# Altium PCB DRS4-PCB.PcbDoc (part 1 of 15) (continued)
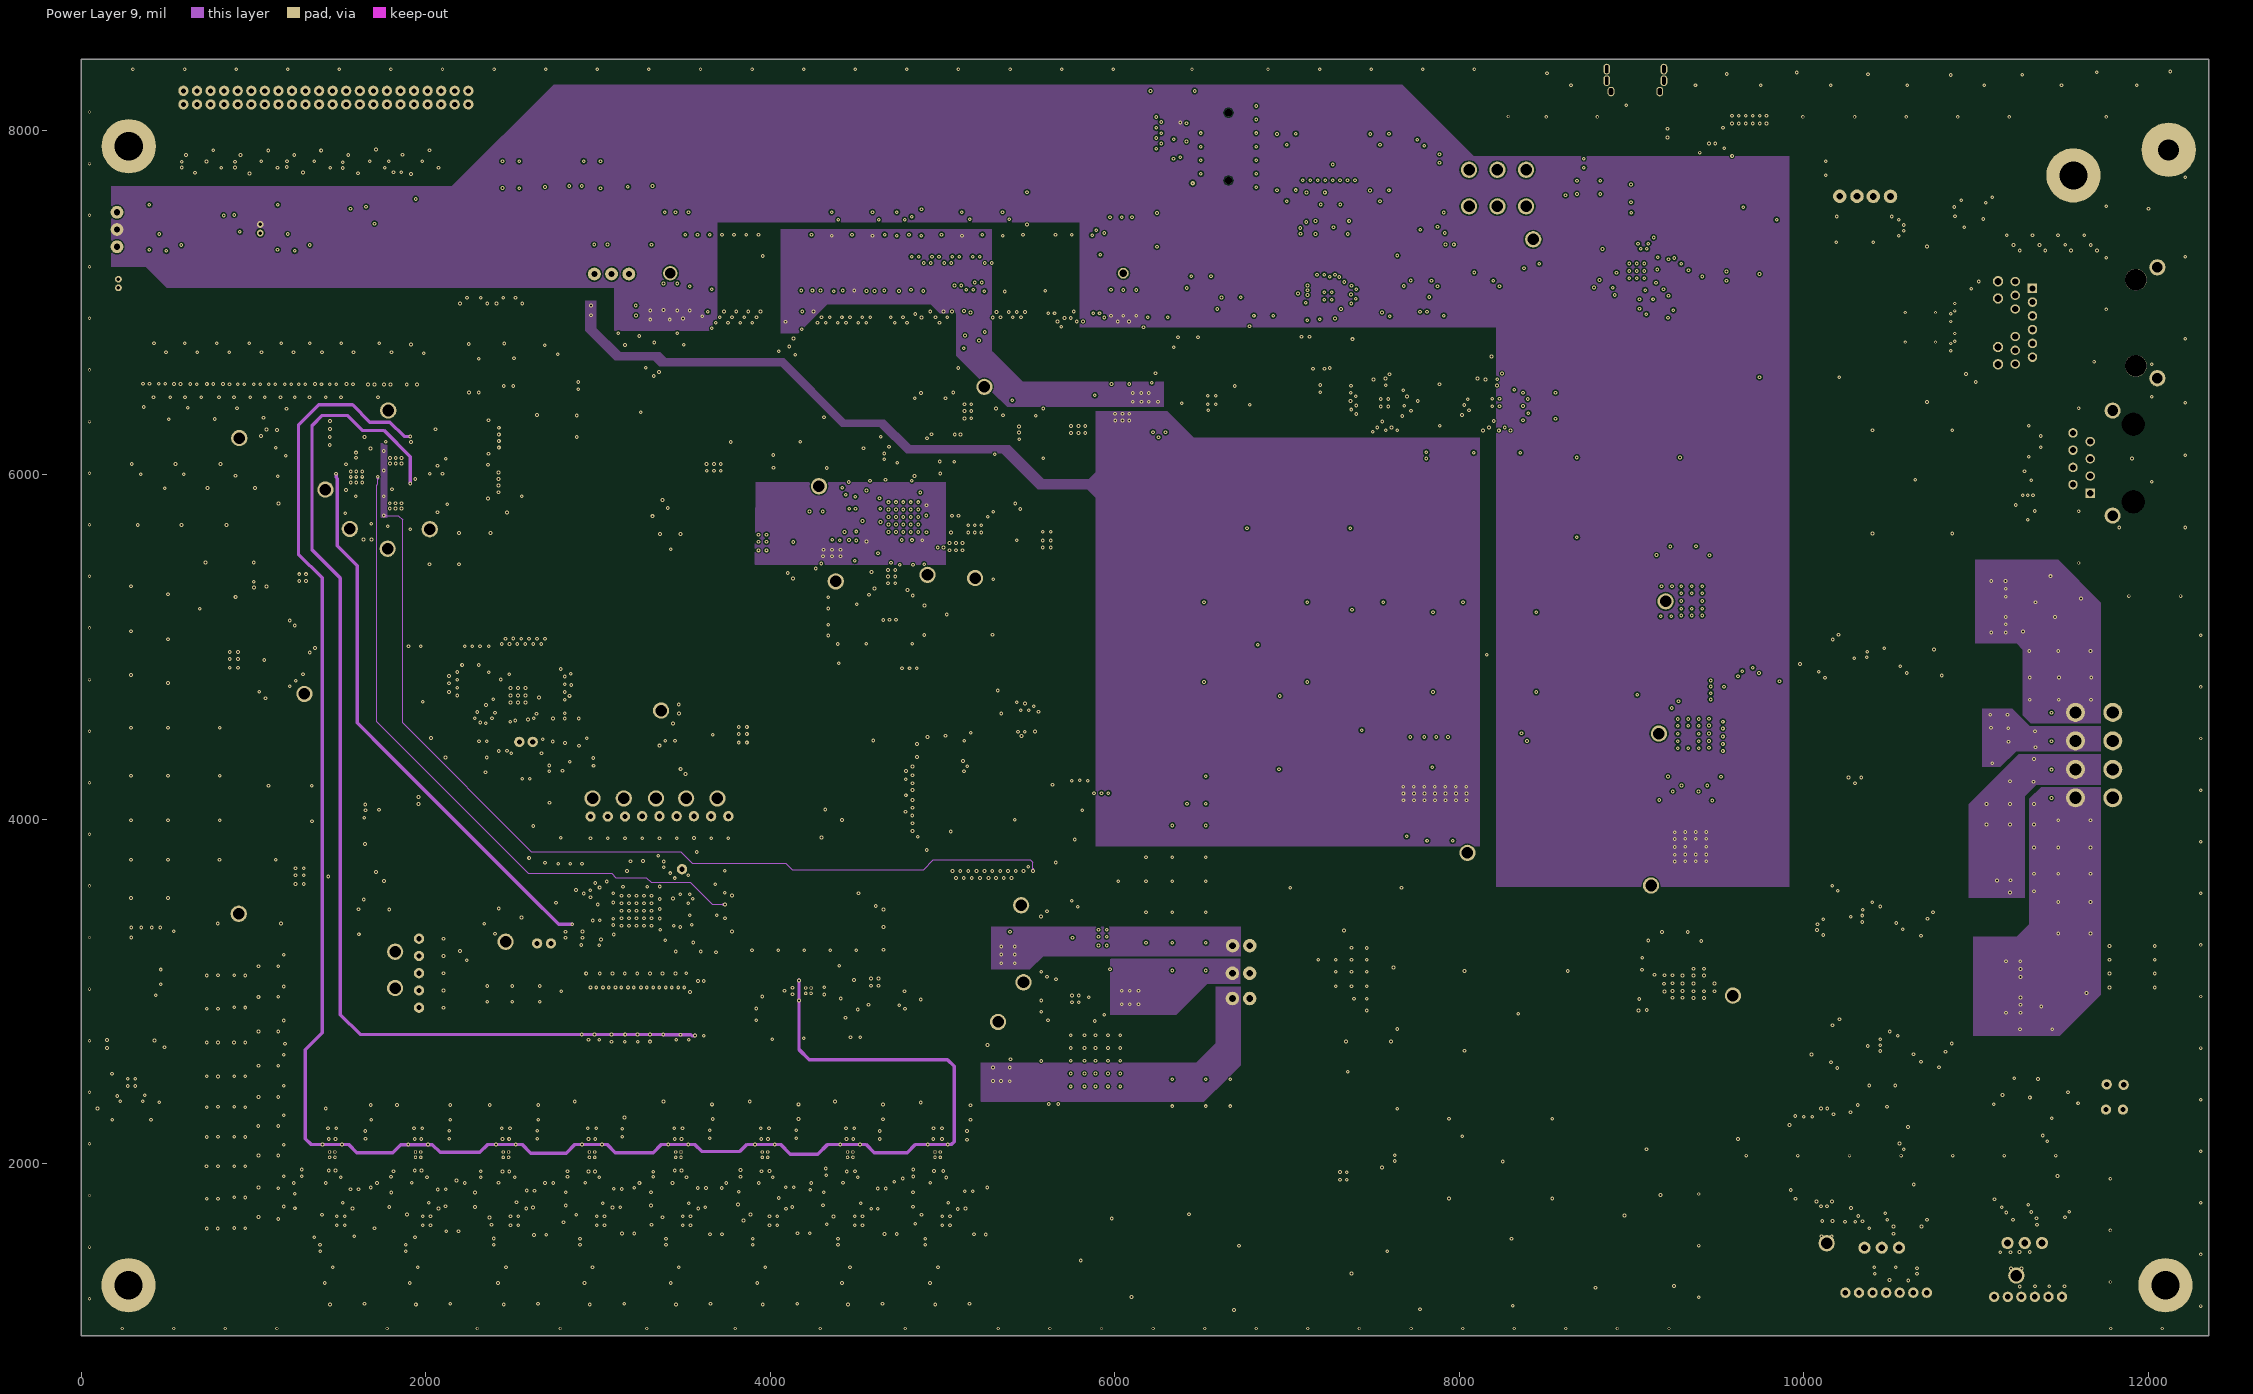
[diagram p9: Power Layer 9]
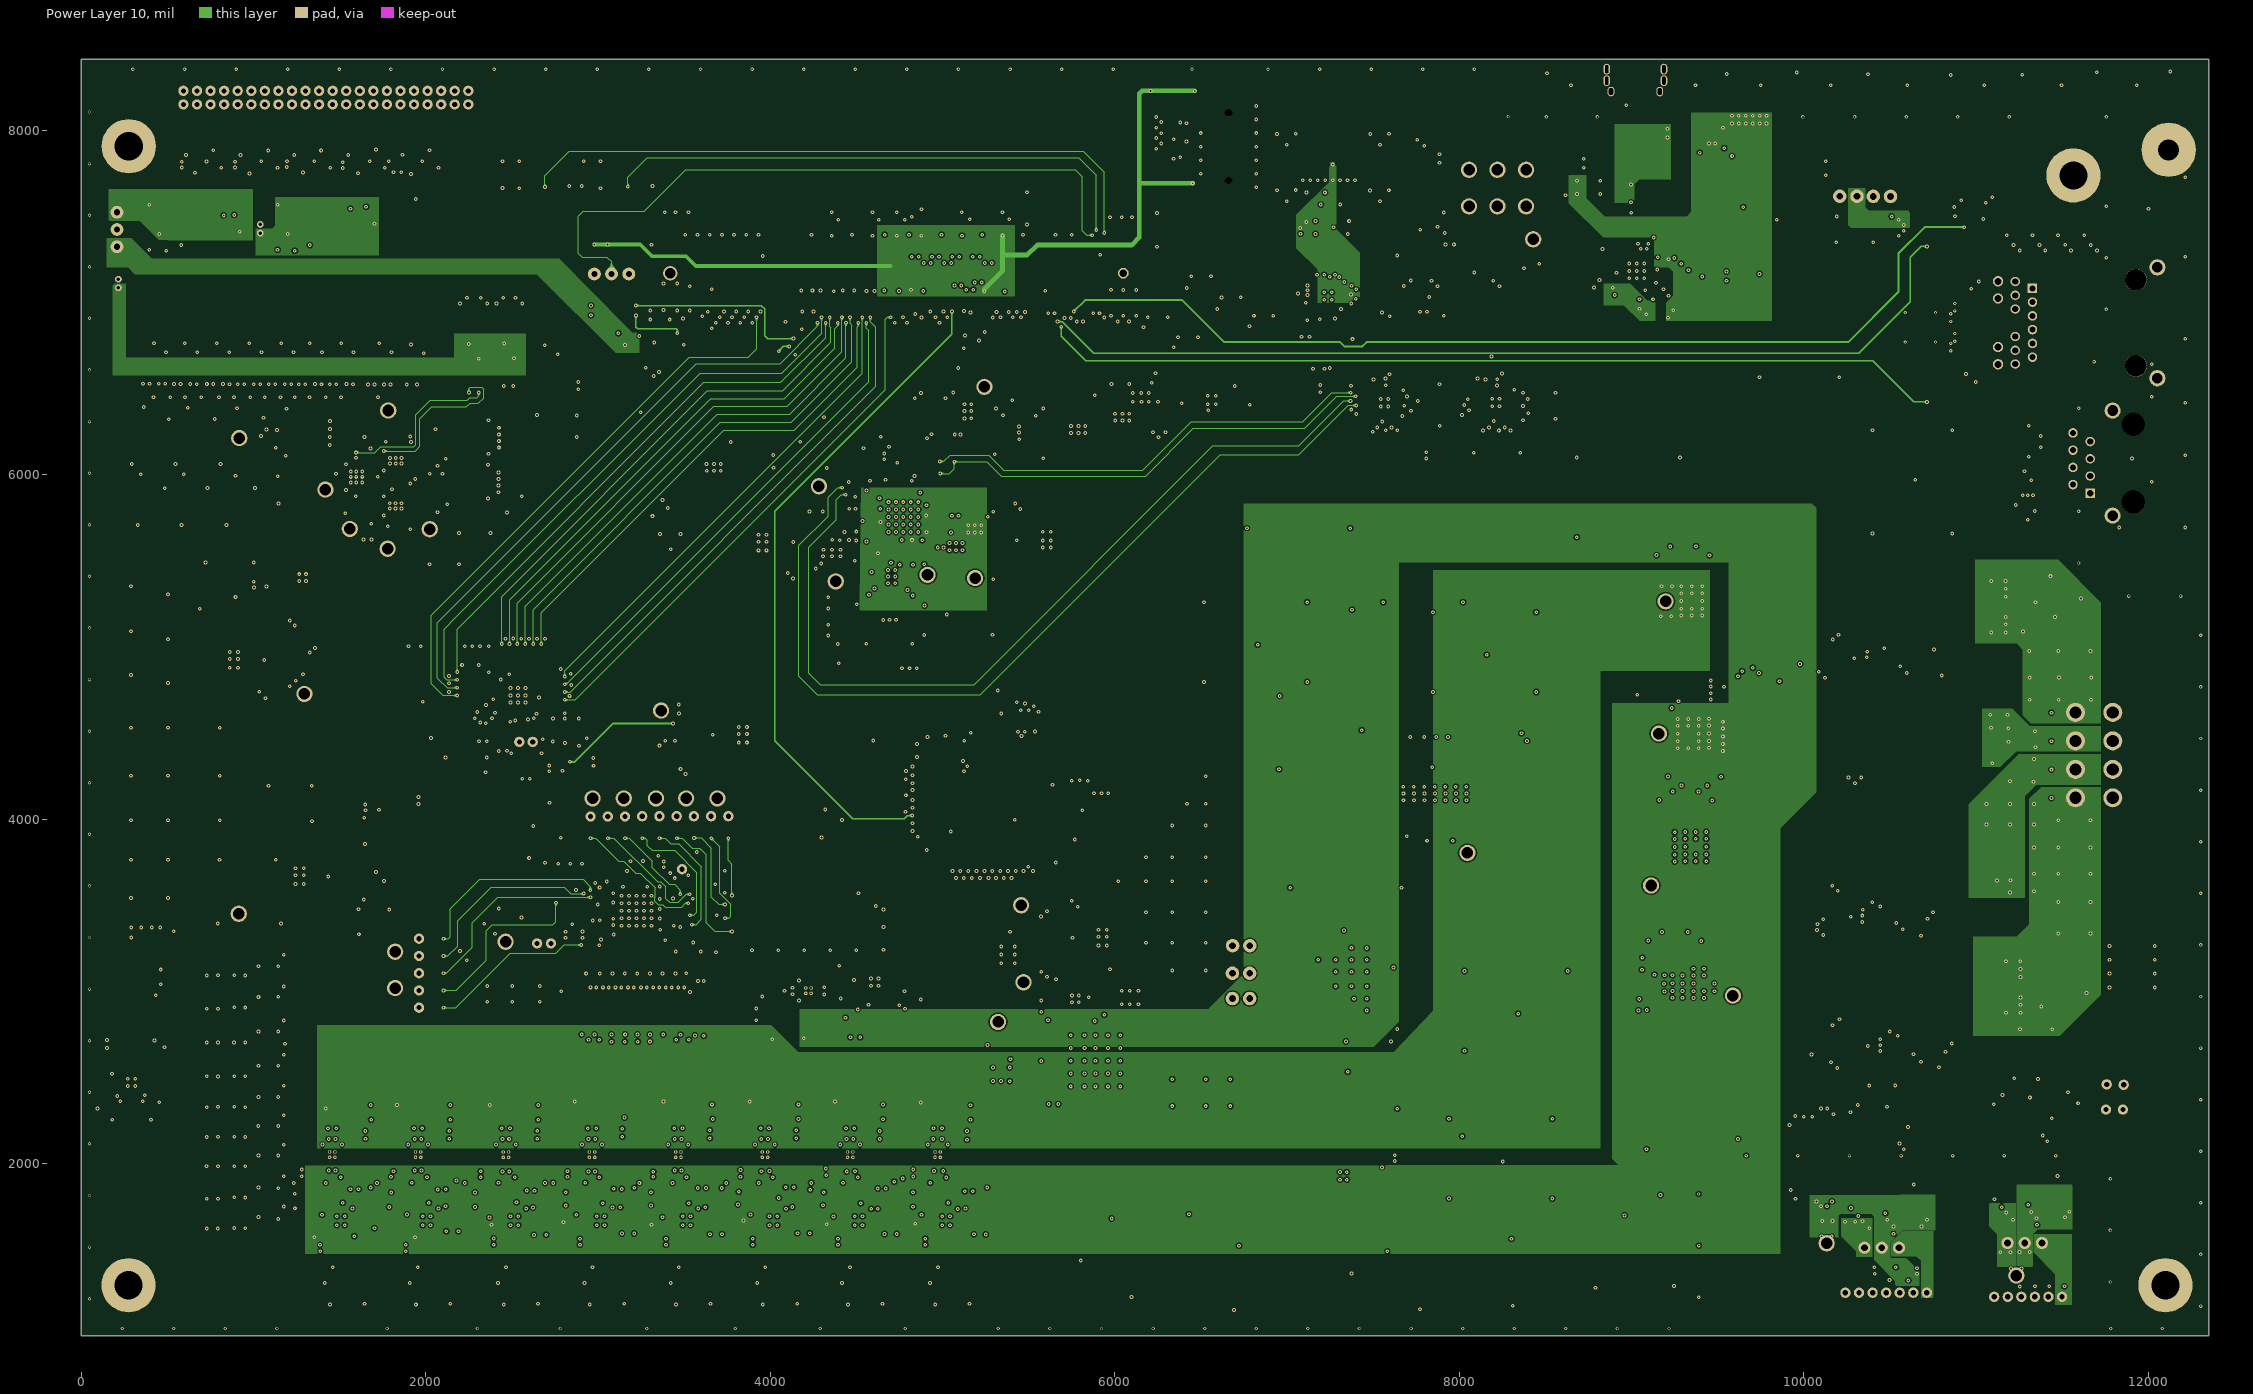
[diagram p10: Power Layer 10]
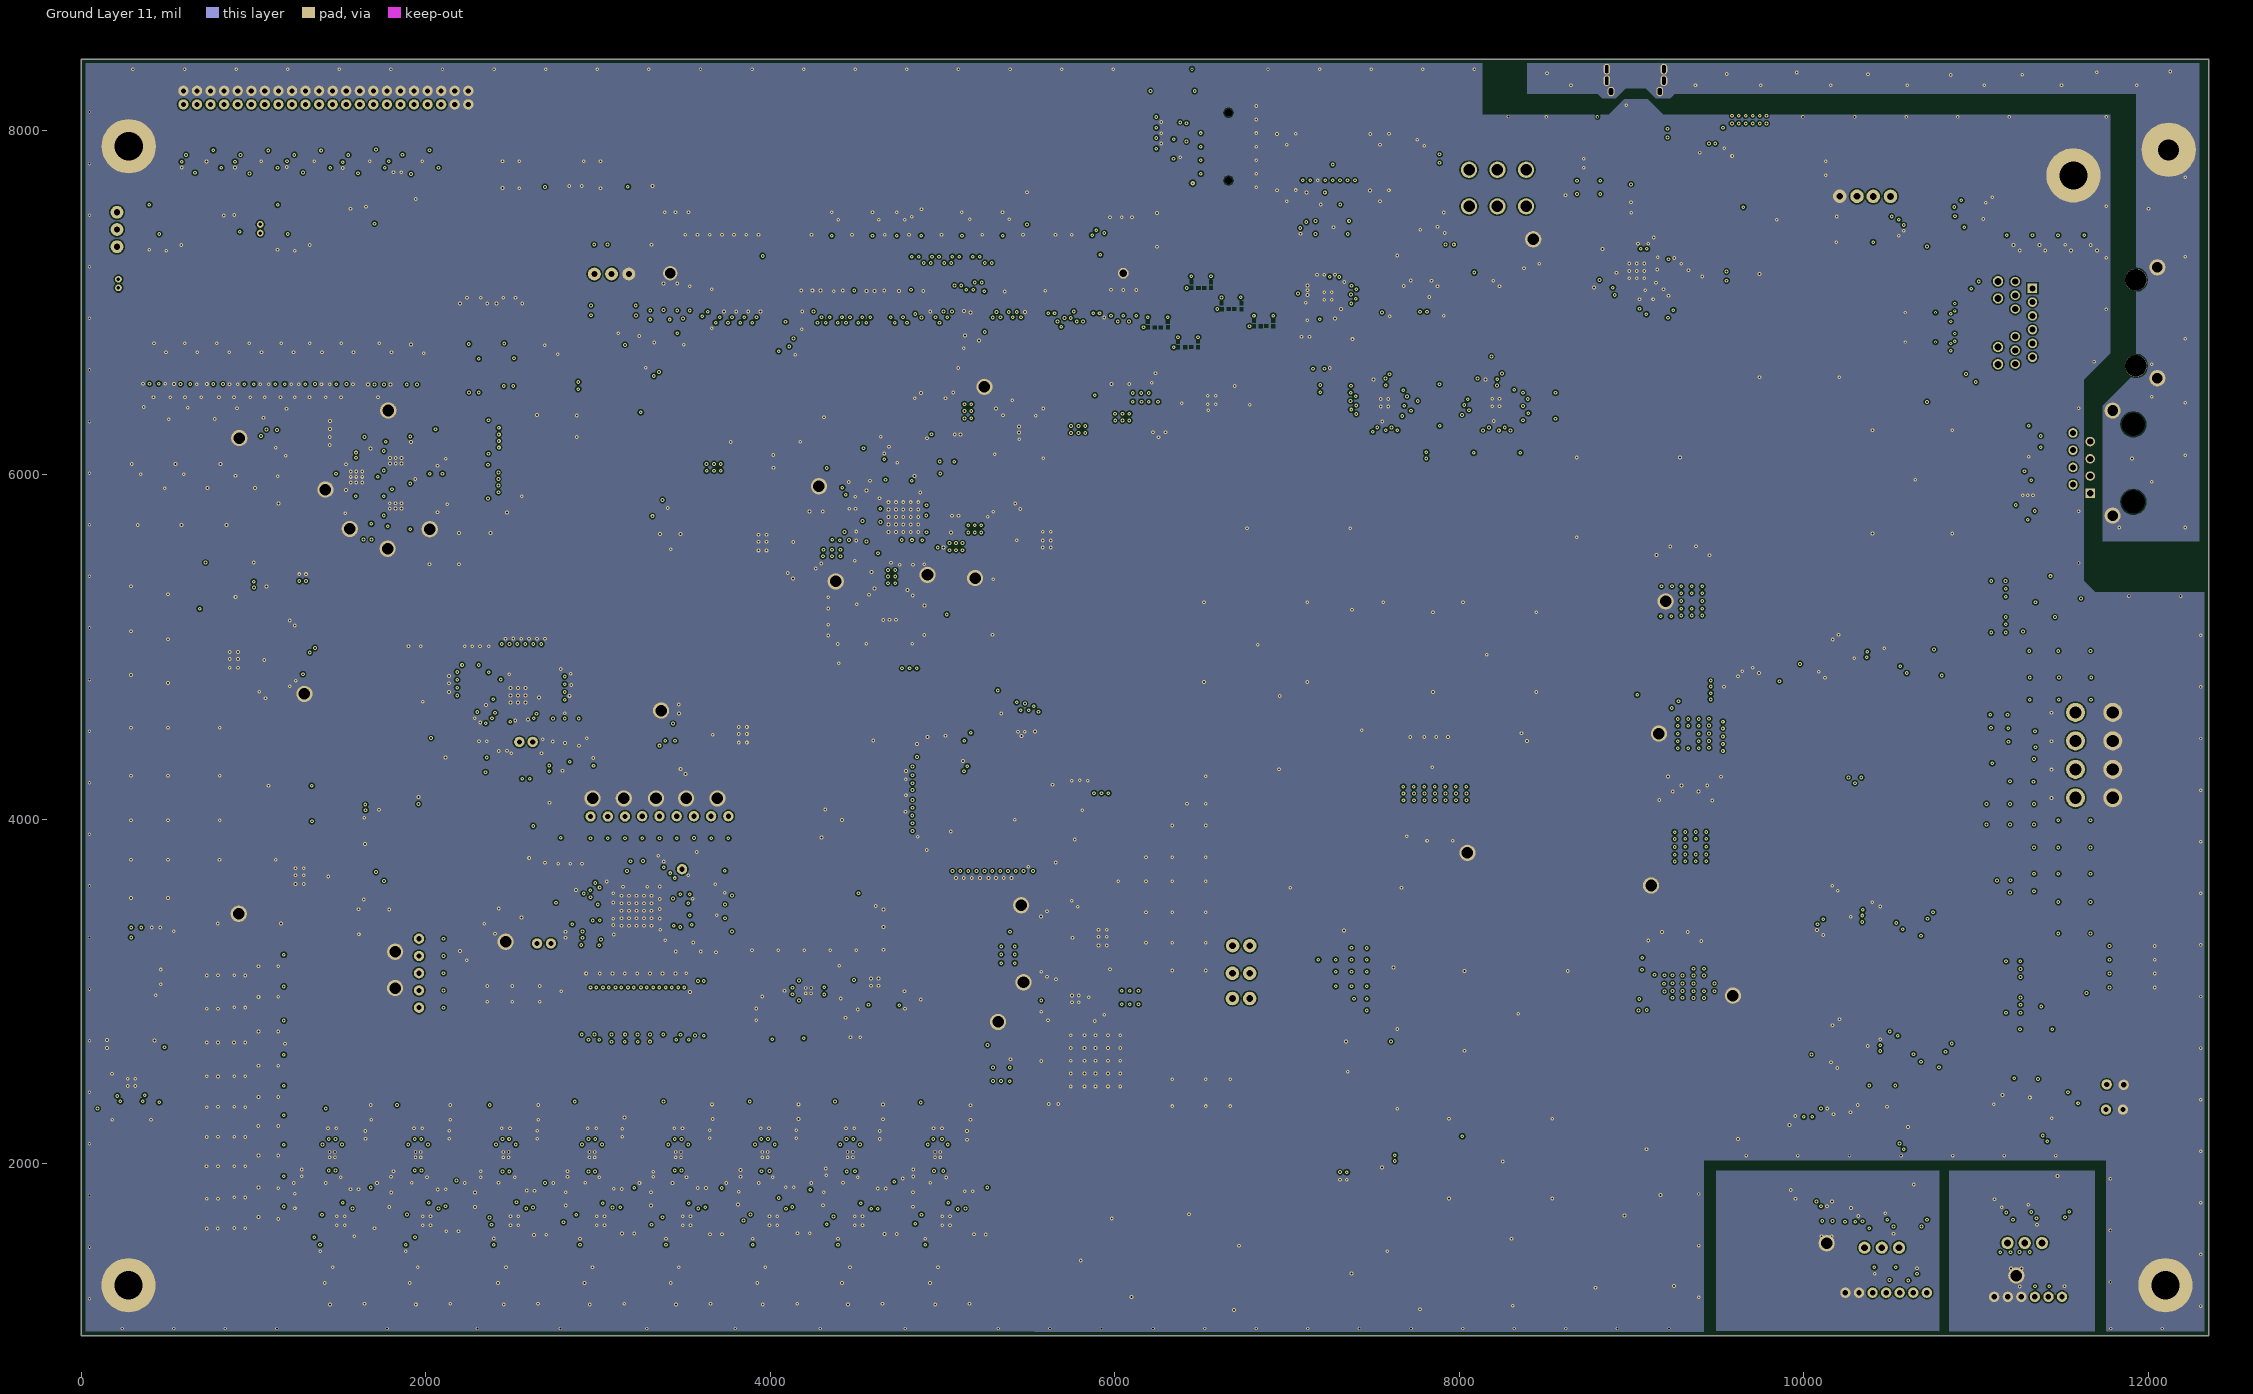
[diagram p11: Ground Layer 11]

## Layer stack, top to bottom
Top Solder: solder mask 0.8, SM-005, Dk 3.9
Top Layer: signal copper 1.6
Dielectric 1: prepreg 4.48, PP-024, Dk 3.23
Ground Layer 2: signal copper 1.2
Dielectric 2: core 4, Core-044, Dk 3.57
Signal Layer 3: signal copper 1.2
Dielectric 3: prepreg 4.36, PP-025, Dk 3.23
Signal Layer 4: signal copper 1.2
Dielectric 4: core 4, Core-044, Dk 3.57
Ground Layer 5: signal copper 1.2
Dielectric 5: prepreg 4.36, PP-025, Dk 3.23
Power Layer 6: signal copper 1.2
Dielectric 6: core 4, Core-044, Dk 3.57
Ground Layer 7: signal copper 1.2
Dielectric 7: prepreg 4.36, PP-025, Dk 3.23
Ground Layer 8: signal copper 1.2
Dielectric 8: core 4, Core-044, Dk 3.57
Power Layer 9: signal copper 1.2
Dielectric 9: prepreg 4.36, PP-025, Dk 3.23
Power Layer 10: signal copper 1.2
Dielectric 10: core 4, Core-044, Dk 3.57
Ground Layer 11: signal copper 1.2
Dielectric 11: prepreg 4.48, PP-024, Dk 3.23
Bottom Layer: signal copper 1.6
Bottom Solder: solder mask 0.8, SM-005, Dk 3.9

## Board outline
0,1000 12350,1000 12350,8411.06 0,8411.06

## Design rules (kind name [scope] priority, off if disabled: settings)
AcuteAngle [All] p1: minimum=4.50000000000000E+0001 checktracksonly=FALSE
BoardOutlineClearance [All] p1 off: gap=19.68 ignorepadtopadclearanceinfootprint=FALSE
Clearance [All] p1: gap=4.5 ignorepadtopadclearanceinfootprint=FALSE except(3.8: Arc-SMDPad Track-SMDPad SMDPad-SMDPad; 8: Arc-Poly Track-Poly SMDPad-Poly THPad-Poly Via-Poly)
ComponentClearance [All] p1 off: gap=0 collisioncheckmode=3 verticalgap=10 showdistances=FALSE
ComponentOrientations [All] p1 off: allowedrotations=32
DiffPairsRouting DiffPairsRouting_D100 [InDifferentialPairClass('D100')] p1: maxlimit=10 minlimit=5 mostfreqgap=10 toplayer_prefgap=5 toplayer_minwidth=4.58 toplayer_maxwidth=5.58 toplayer_prefwidth=5.08 midlayer2_prefgap=5 midlayer2_minwidth=2.92 midlayer2_maxwidth=3.57 midlayer2_prefwidth=3.24 midlayer3_mingap=6.1 midlayer3_prefgap=6.1 midlayer3_minwidth=3.29 midlayer3_maxwidth=4.03 midlayer3_prefwidth=3.66 bottomlayer_prefgap=5 bottomlayer_minwidth=6.06 bottomlayer_maxwidth=7.41 bottomlayer_prefwidth=6.73 impedanceprofiledriven=TRUE impedanceprofileid={3E0B95AD-4A6B-46CC-9FC0-AE22B2026B1E} impedanceprofilevalue=100.000000 maxuncoupledlength=500 // 100 Ohm impedance
DiffPairsRouting DiffPairsRouting_D90 [InDifferentialPairClass('D90')] p2: maxlimit=10 minlimit=5 mostfreqgap=10 toplayer_prefgap=5 toplayer_minwidth=5.08 toplayer_maxwidth=15 toplayer_prefwidth=6.75 midlayer2_prefgap=5 midlayer2_minwidth=3.24 midlayer2_maxwidth=15 midlayer2_prefwidth=3.65 midlayer3_prefgap=5 midlayer3_minwidth=3.65 midlayer3_maxwidth=15 midlayer3_prefwidth=3.65 bottomlayer_prefgap=5 bottomlayer_minwidth=6.73 bottomlayer_maxwidth=15 bottomlayer_prefwidth=6.75 impedanceprofiledriven=TRUE impedanceprofileid={553B5D03-7D14-4B2F-AD8E-2760CC6977B5} impedanceprofilevalue=90.000000 maxuncoupledlength=500
DiffPairsRouting [All] p3: maxlimit=6 minlimit=5 mostfreqgap=5 toplayer_minwidth=4 toplayer_maxwidth=5 toplayer_prefwidth=5 midlayer1_minwidth=5 midlayer1_maxwidth=15 midlayer1_prefwidth=15 midlayer2_minwidth=5 midlayer2_maxwidth=15 midlayer2_prefwidth=15 midlayer3_prefgap=6 midlayer3_minwidth=3.24 midlayer3_maxwidth=5 midlayer3_prefwidth=4 midlayer4_minwidth=5 midlayer4_maxwidth=15 midlayer4_prefwidth=15 midlayer5_minwidth=5 midlayer5_maxwidth=15 midlayer5_prefwidth=15 midlayer6_minwidth=5 midlayer6_maxwidth=15 midlayer6_prefwidth=15 midlayer7_minwidth=5 midlayer7_maxwidth=15 midlayer7_prefwidth=15 midlayer8_minwidth=4 midlayer8_maxwidth=5 midlayer8_prefwidth=4 midlayer9_minwidth=5 midlayer9_maxwidth=15 midlayer9_prefwidth=15 midlayer10_minwidth=5 midlayer10_maxwidth=15 midlayer10_prefwidth=15 bottomlayer_minwidth=5 bottomlayer_maxwidth=15 bottomlayer_prefwidth=5 maxuncoupledlength=500
Height [All] p1 off: minheight=0 maxheight=1000 prefheight=500
HoleSize HoleSize_1 [All] p1: absolutevalues=TRUE maxlimit=165 minlimit=8 maxpercent=80.000 minpercent=20.000
Length [All] p1: maxlimit=100000 minlimit=0
MatchedLengths DiffPair_MatchedLengths [InDifferentialPair ('GPIO2')] p1: tolerance=1000 checknetsindiffpair=FALSE checkdiffpairvsdiffpair=TRUE checkxsignals=TRUE checkothers=TRUE
MinimumAnnularRing [All] p1: minimumring=5
MinimumSolderMaskSliver [All] p1: minsoldermaskwidth=1.97
OvershootFalling [All] p1: maximum=100.0u
OvershootRising [All] p1: maximum=100.0u
ParallelSegment [All] p1: limit=984.25 gap=15
PlaneClearance [All] p1: clearance=5
PlaneConnect [All] p1: planeconnectstyle=Direct reliefexpansion=20 reliefentries=4 reliefconductorwidth=10 reliefairgap=10
PolygonConnect [All] p1: connectstyle=Direct reliefconductorwidth=10 reliefentries=4 polygonreliefangle="90 Angle" airgapwidth=10
RoomDefinition "I2C GPIO LED" [InComponentClass('I2C GPIO LED')] p1 off: confinementstyle=ConfineIn formatcopy=TRUE lockcomponents=FALSE outline 0,0 2000,0 2000,1000 0,1000
RoomDefinition "I2C GPIO" [InComponentClass('I2C GPIO')] p2 off: confinementstyle=ConfineIn formatcopy=TRUE lockcomponents=FALSE outline 0,0 2000,0 2000,1000 0,1000
RoomDefinition "MarsZX2 PWR Reset" [InComponentClass('MarsZX2 PWR Reset')] p3 off: confinementstyle=ConfineIn formatcopy=TRUE lockcomponents=FALSE outline 326.35,7139.3 2320.24,7139.3 2320.24,7804.1 326.35,7804.1
RoomDefinition "Main Voltage Sensors" [InComponentClass('Main Voltage Sensors')] p4 off: confinementstyle=ConfineIn formatcopy=TRUE lockcomponents=FALSE outline 0,0 2000,0 2000,1000 0,1000
RoomDefinition "I2C Multiplexer" [InComponentClass('I2C Multiplexer')] p5 off: confinementstyle=ConfineIn formatcopy=TRUE lockcomponents=FALSE outline 0,0 2000,0 2000,1000 0,1000
RoomDefinition 1V8_SUPPLY [InComponentClass('1V8_SUPPLY')] p6 off: confinementstyle=ConfineIn formatcopy=TRUE lockcomponents=FALSE outline 0,0 2000,0 2000,1000 0,1000
RoomDefinition DAC [InComponentClass('DAC')] p7 off: confinementstyle=ConfineIn formatcopy=TRUE lockcomponents=FALSE outline 1131.81,5582.76 3079.2,5582.76 3079.2,6713.47 1131.81,6713.47
RoomDefinition "Clock Power" [InComponentClass('Clock Power')] p8 off: confinementstyle=ConfineIn formatcopy=TRUE lockcomponents=FALSE outline 3083.66,5015.64 7704.26,5015.64 7704.26,6790.77 3083.66,6790.77
RoomDefinition 2V5_DRS4_SUPPLY [InComponentClass('2V5_DRS4_SUPPLY')] p9 off: confinementstyle=ConfineIn formatcopy=TRUE lockcomponents=FALSE outline 237.52,2103.88 4567.13,2103.88 4567.13,4186.87 237.52,4186.87
RoomDefinition 3V_ADC [InComponentClass('3V_ADC')] p10 off: confinementstyle=ConfineIn formatcopy=TRUE lockcomponents=FALSE outline 761.85,4235.91 4085.54,4235.91 4085.54,5449.68 761.85,5449.68
RoomDefinition -1V [InComponentClass('-1V')] p11 off: confinementstyle=ConfineIn formatcopy=TRUE lockcomponents=FALSE outline 9244.57,4167.48 11252.44,4167.48 11252.44,4734.57 9244.57,4734.57
RoomDefinition 4V [InComponentClass('4V')] p12 off: confinementstyle=ConfineIn formatcopy=TRUE lockcomponents=FALSE outline 9232.46,4869.46 11239.11,4869.46 11239.11,5604.5 9232.46,5604.5
RoomDefinition 3_3V_DIST [InComponentClass('3_3V_DIST')] p13 off: confinementstyle=ConfineIn formatcopy=TRUE lockcomponents=FALSE outline 9331.93,2656.76 11300.04,2656.76 11300.04,3421.72 9331.93,3421.72
RoomDefinition 3V3_DIST_ZYNQ [InComponentClass('3V3_DIST_ZYNQ')] p14 off: confinementstyle=ConfineIn formatcopy=TRUE lockcomponents=FALSE outline 9229.39,3434.81 11257.95,3434.81 11257.95,4150.55 9229.39,4150.55
RoomDefinition ToF [InComponentClass('ToF')] p15 off: confinementstyle=ConfineIn formatcopy=TRUE lockcomponents=FALSE outline 12357.2,3932.36 12357.2,6437.36 11306.42,6437.36 11306.42,3932.36
RoomDefinition "TCA FILTER" [InComponentClass('TCA FILTER')] p16 off: confinementstyle=ConfineIn formatcopy=TRUE lockcomponents=FALSE outline -1804.53,12628.19 11375.47,12628.19 11375.47,12773.19 -1804.53,12773.19
RoomDefinition "TCA CLK" [InComponentClass('TCA CLK')] p17 off: confinementstyle=ConfineIn formatcopy=TRUE lockcomponents=FALSE outline 419.69,3052.36 419.69,1811.42 883.46,1811.42 883.46,3052.36
RoomDefinition SOM1 [InComponentClass('SOM1')] p18 off: confinementstyle=ConfineIn formatcopy=TRUE lockcomponents=FALSE outline 3179.92,6800.89 6841.73,6800.89 6841.73,8148.65 3179.92,8148.65
RoomDefinition "Misc. GPIO" [InComponentClass('Misc. GPIO')] p19 off: confinementstyle=ConfineIn formatcopy=TRUE lockcomponents=FALSE outline 2311.06,7947.54 507.52,7947.54 507.52,7422.26 2311.06,7422.26
RoomDefinition "MIO Peripherals" [InComponentClass('MIO Peripherals')] p20 off: confinementstyle=ConfineIn formatcopy=TRUE lockcomponents=FALSE outline 8121.06,8145.08 6915.16,8145.08 6915.16,6856.69 8121.06,6856.69
RoomDefinition "Mars PWR" [InComponentClass('Mars PWR')] p21 off: confinementstyle=ConfineIn formatcopy=TRUE lockcomponents=FALSE outline 2678.5,9081.89 6670.87,9081.89 6670.87,10098.03 2678.5,10098.03
RoomDefinition "Mars Ethernet" [InComponentClass('Mars Ethernet')] p22 off: confinementstyle=ConfineIn formatcopy=TRUE lockcomponents=FALSE outline 10439.18,6426.53 12365.13,6426.53 12365.13,7682.98 10439.18,7682.98
RoomDefinition "Galvanic I2C Interface" [InComponentClass('Galvanic I2C Interface')] p23 off: confinementstyle=ConfineIn formatcopy=TRUE lockcomponents=FALSE outline 9858.78,2442.26 9858.78,1140.55 11720.98,1140.55 11720.98,2442.26
RoomDefinition FTDI [InComponentClass('FTDI')] p24 off: confinementstyle=ConfineIn formatcopy=TRUE lockcomponents=FALSE outline 8152.03,7046.85 10573.83,7046.85 10573.83,8162.91 8152.03,8162.91
RoomDefinition FE8 [InComponentClass('FE8')] p25 off: confinementstyle=ConfineIn formatcopy=TRUE lockcomponents=FALSE outline 17770,7495 25480,7495 25480,7780 17770,7780
RoomDefinition FE7 [InComponentClass('FE7')] p26 off: confinementstyle=ConfineIn formatcopy=TRUE lockcomponents=FALSE outline 17770,24095 28470,24095 28470,24640 17770,24640
RoomDefinition FE6 [InComponentClass('FE6')] p27 off: confinementstyle=ConfineIn formatcopy=TRUE lockcomponents=FALSE outline 17770,23500 28470,23500 28470,24045 17770,24045
RoomDefinition FE5 [InComponentClass('FE5')] p28 off: confinementstyle=ConfineIn formatcopy=TRUE lockcomponents=FALSE outline 17770,22905 28470,22905 28470,23450 17770,23450
RoomDefinition FE4 [InComponentClass('FE4')] p29 off: confinementstyle=ConfineIn formatcopy=TRUE lockcomponents=FALSE outline 17770,22310 28470,22310 28470,22855 17770,22855
RoomDefinition FE3 [InComponentClass('FE3')] p30 off: confinementstyle=ConfineIn formatcopy=TRUE lockcomponents=FALSE outline 17770,21715 28470,21715 28470,22260 17770,22260
RoomDefinition FE2 [InComponentClass('FE2')] p31 off: confinementstyle=ConfineIn formatcopy=TRUE lockcomponents=FALSE outline 17770,21120 28470,21120 28470,21665 17770,21665
RoomDefinition FE1 [InComponentClass('FE1')] p32 off: confinementstyle=ConfineOut formatcopy=TRUE lockcomponents=FALSE outline 17770,20525 28145,20525 28145,21070 17770,21070
RoomDefinition FE0 [InComponentClass('FE0')] p33 off: confinementstyle=ConfineIn formatcopy=TRUE lockcomponents=FALSE outline 1327.56,701.58 2014.97,701.58 2014.97,2730.72 1327.56,2730.72
RoomDefinition DRS1 [InComponentClass('DRS1')] p34 off: confinementstyle=ConfineIn formatcopy=TRUE lockcomponents=FALSE outline 991.98,2569.68 3674.71,2569.68 3674.71,4309.68 991.98,4309.68
RoomDefinition "Clock synthesis" [InComponentClass('Clock synthesis')] p35 off: confinementstyle=ConfineIn formatcopy=TRUE lockcomponents=FALSE outline 4083.77,6468.26 4083.77,4940.05 5262.78,4940.05 5262.78,6468.26
RoomDefinition ADC [InComponentClass('ADC')] p36 off: confinementstyle=ConfineIn formatcopy=TRUE lockcomponents=FALSE outline 1340.04,3957.29 4103.19,3957.29 4103.19,5153.75 1340.04,5153.75
RoutingVias [All] p1: holewidth=10 width=49.21 viastyle="Through Hole" minholewidth=7.87 minwidth=10 maxholewidth=28 maxwidth=50
SilkToSilkClearance [All] p1: silktosilkclearance=3.54
SilkToSolderMaskClearance [IsPad] p1: minsilkscreentomaskgap=3.94 clearancetoexposedcopper=TRUE
SolderMaskExpansion [All] p1: expansion=0 istentingtop=FALSE
UnRoutedNet [All] p1: checkbadconnections=TRUE
Width Width_S50 [InNetClass('S50')] p1: maxlimit=10 minlimit=3.61 preferedwidth=3.61 toplayer_minwidth=8.72 toplayer_prefwidth=8.72 midlayer2_minwidth=4.8 midlayer2_prefwidth=4.8 bottomlayer_minwidth=8.72 bottomlayer_prefwidth=8.72 impedanceprofiledriven=TRUE impedanceprofileid={BFA43C06-BE16-4340-AEB9-550528105CF2} impedanceprofilevalue=50.000000 minimp=50.000000 maximp=50.000000 favimp=50.000000 // 50 Ohm single ended
Width [All] p2: maxlimit=196.85 minlimit=5 preferedwidth=10 minimp=50.000000 maximp=50.000000 favimp=50.000000
20 further rules are at their usual default settings.
